# KiCad board bgpogo.kicad_pcb
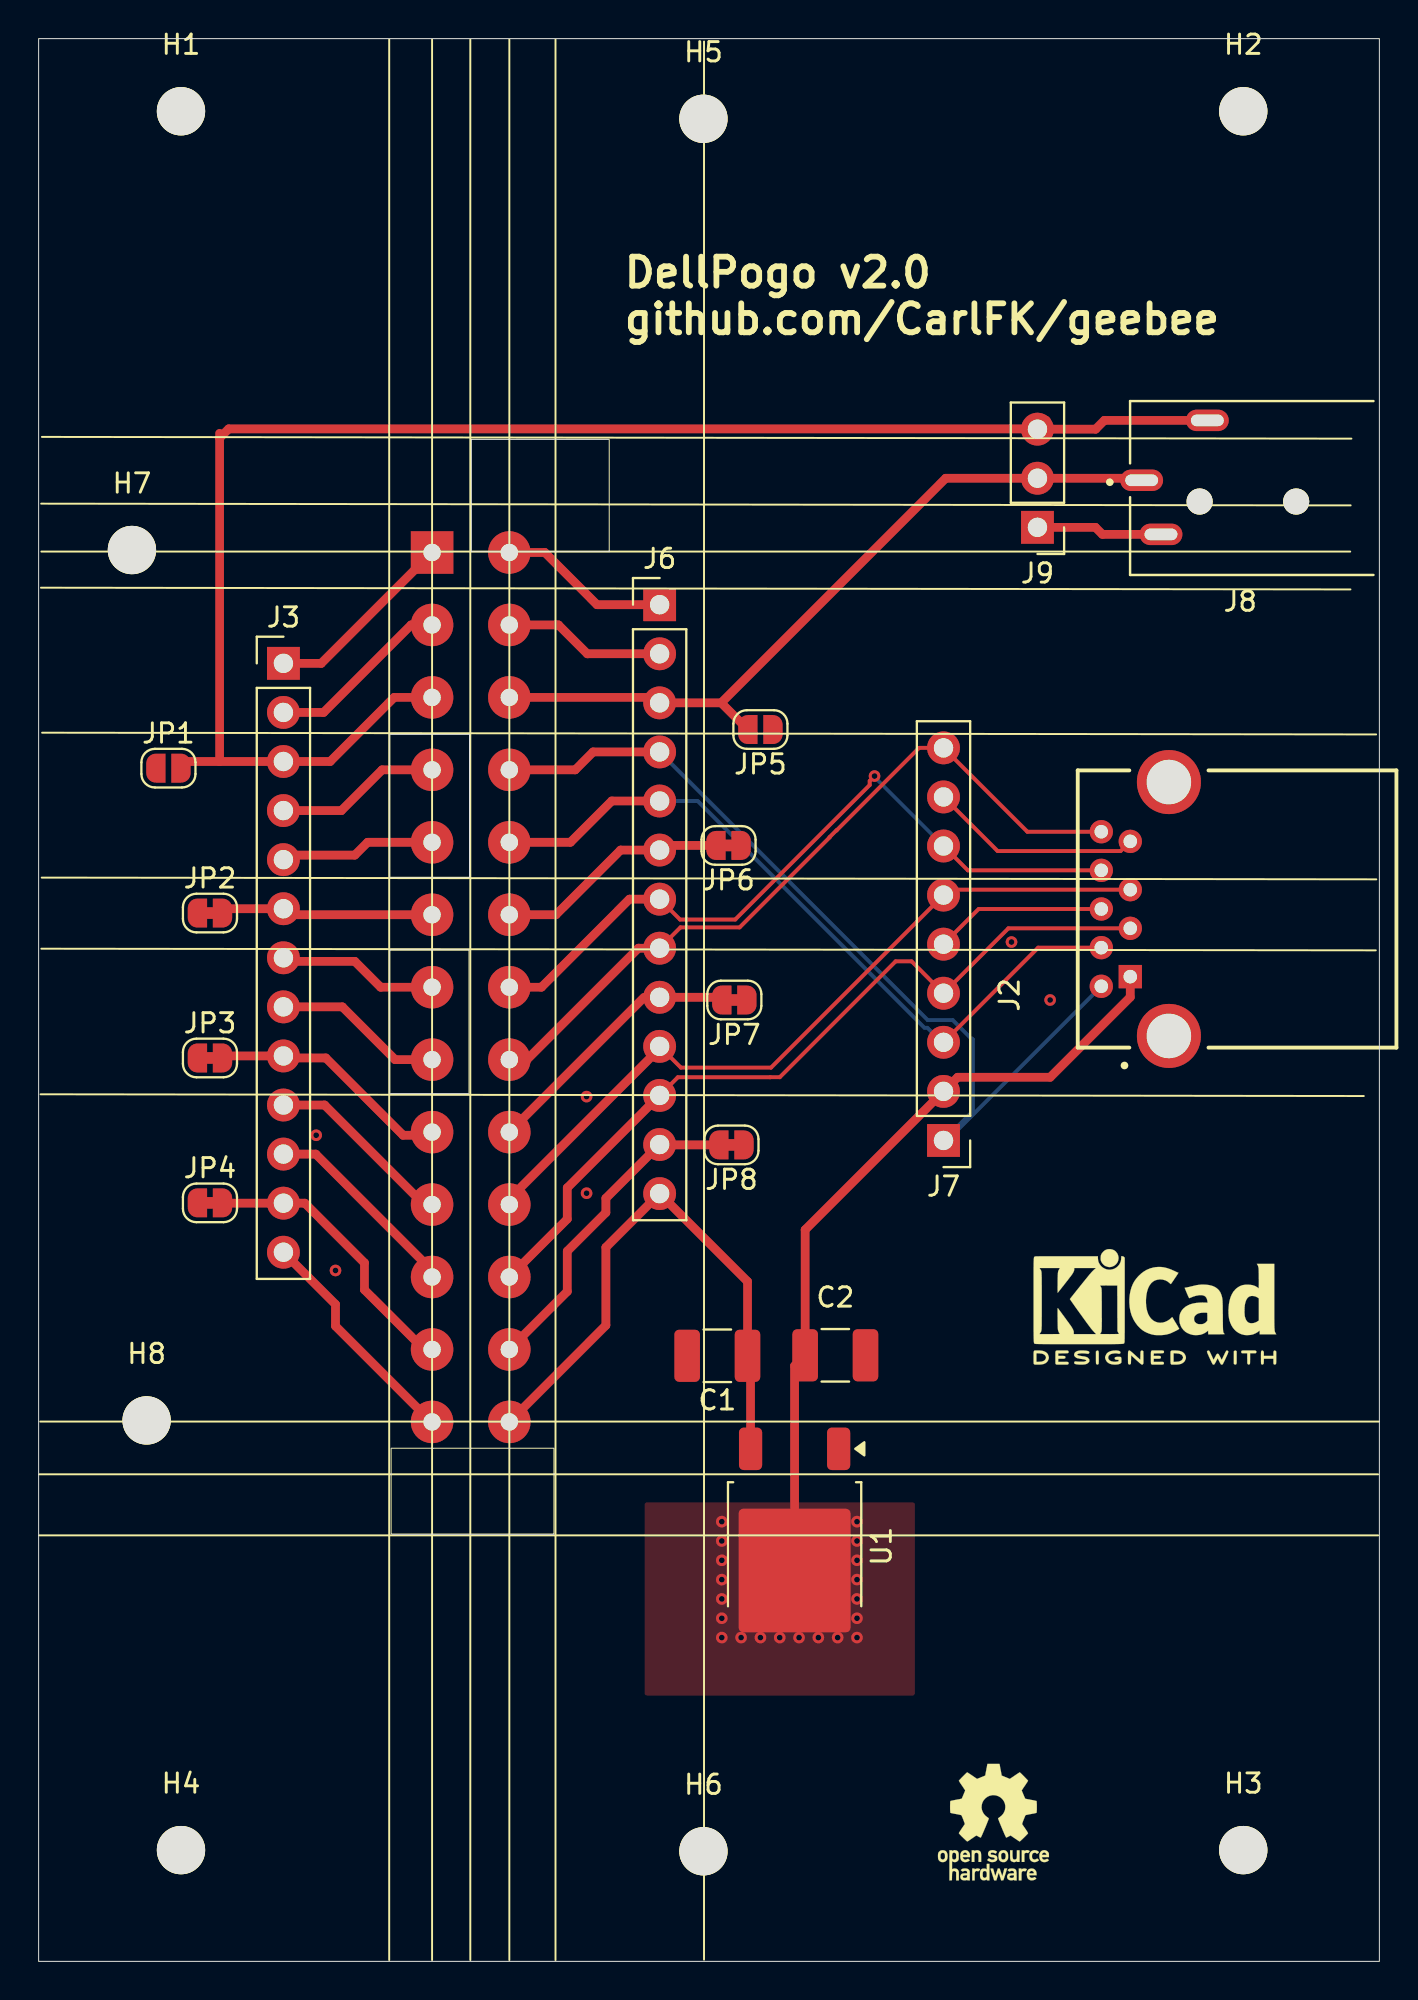
[diagram p0: board, top side]
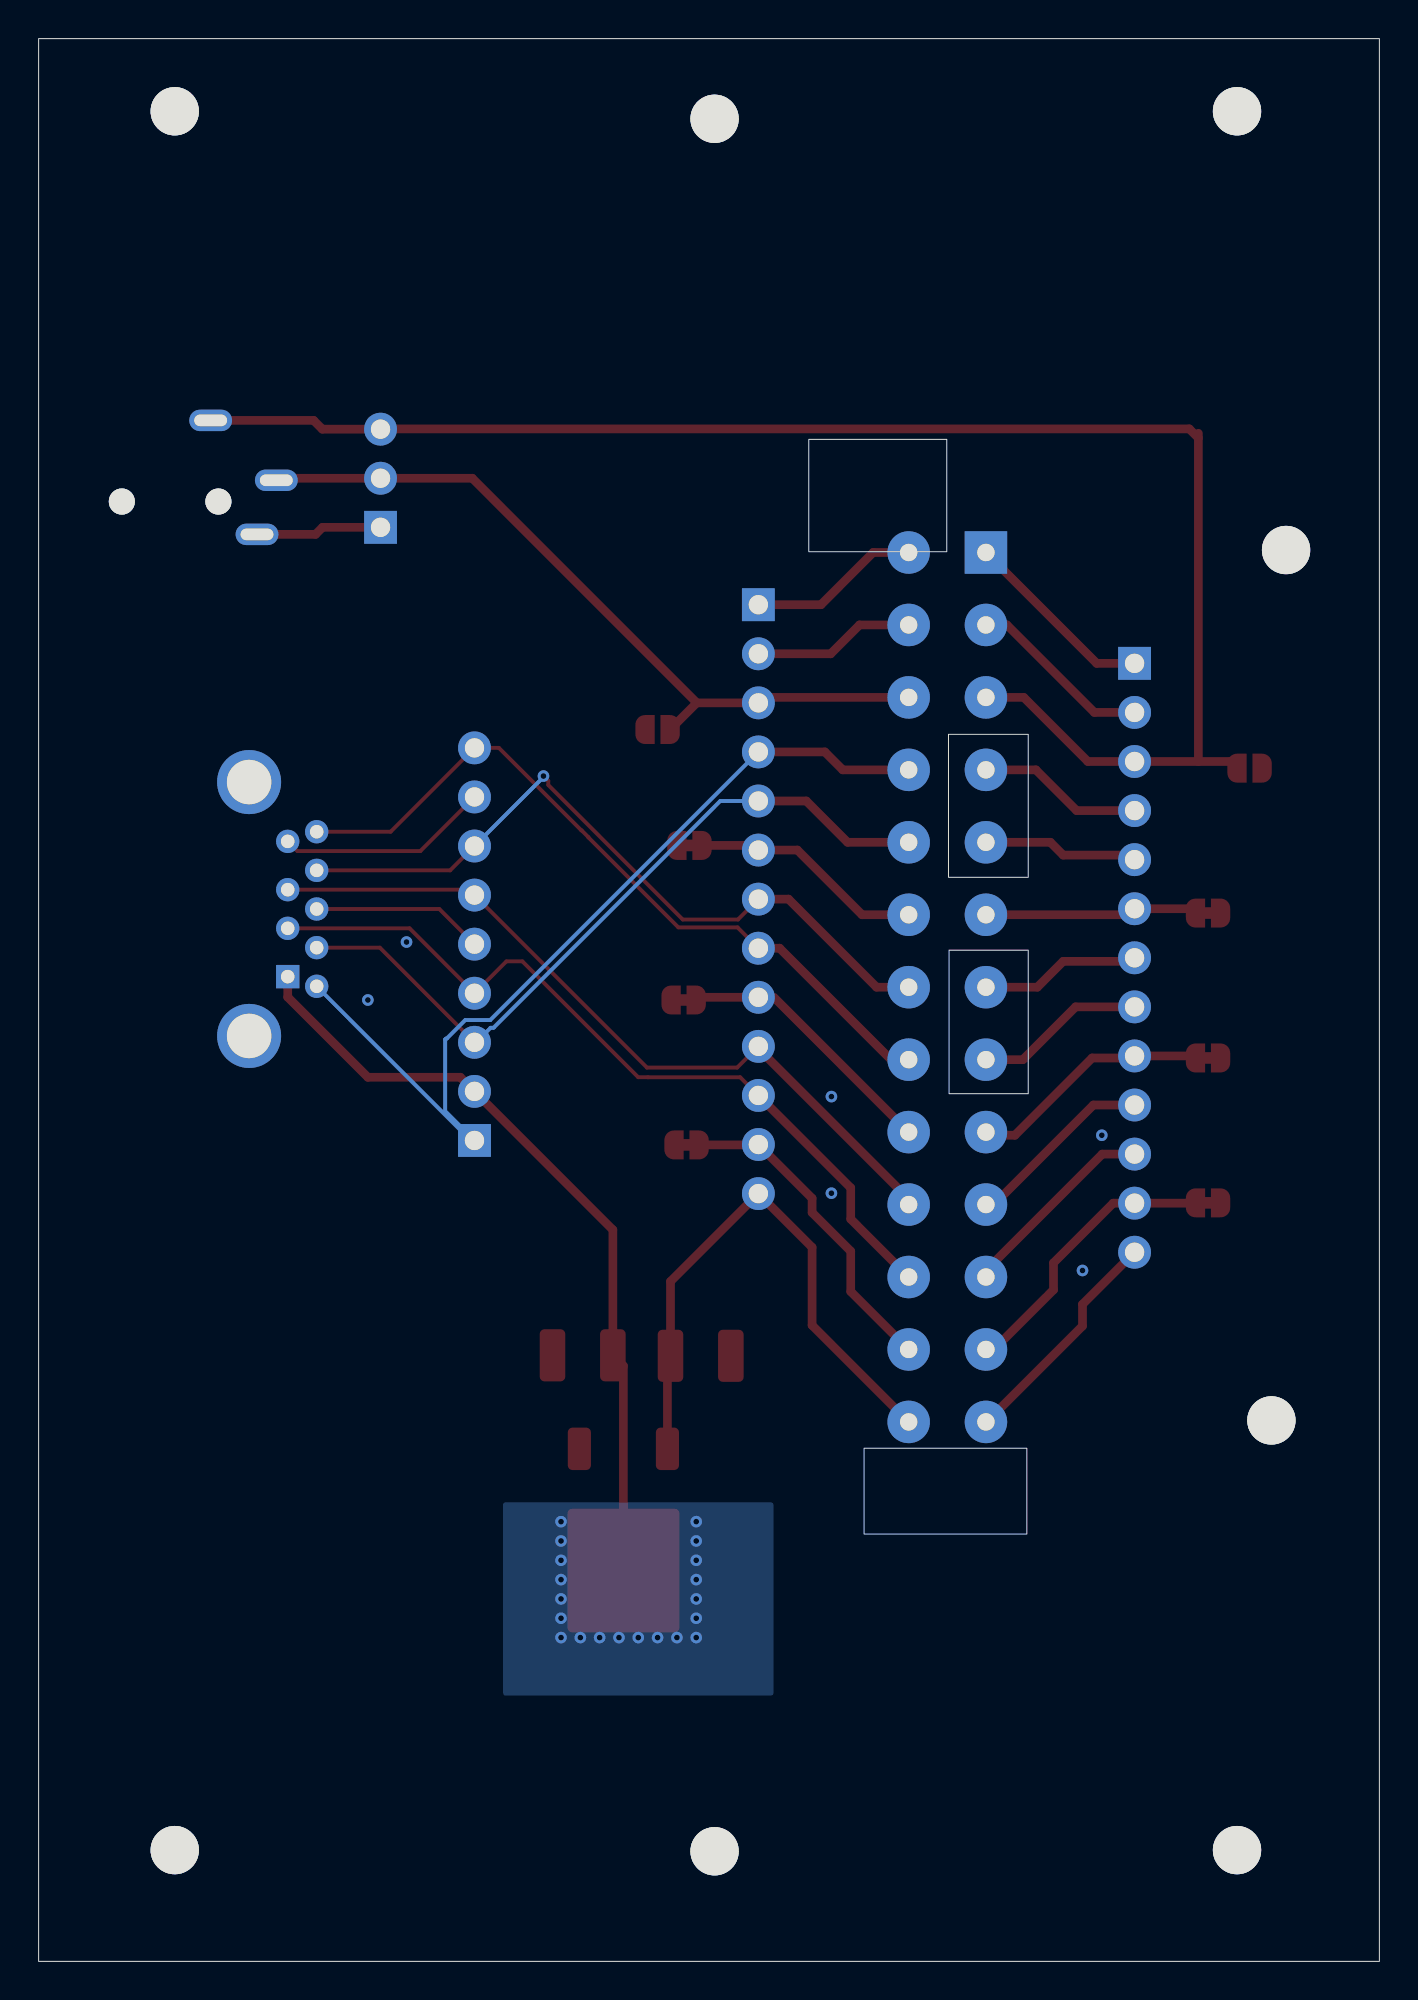
[diagram p1: board, bottom side, seen from below]

Outline 69.42 x 99.52 mm; copper layers: Top, Bottom. Coordinates in mm from the lower left corner of the outline.
Outline path: rectangle 0,99.52 69.42,0 ; rectangle 18.18,63.51 22.31,56.11 ; rectangle 18.18,52.34 22.28,44.91 ; rectangle 18.25,26.56 26.68,22.12 ; rectangle 22.4,78.78 29.54,72.96

## Placement (name value [footprint] x y rotation side)
C1  47u  [C_1210_3225Metric_Pad1.33x2.70mm_HandSolder]  35.14 31.34 180 top
C2  47u  [C_1210_3225Metric_Pad1.33x2.70mm_HandSolder]  41.25 31.37 0 top
H1  MountingHole  [MountingHole_2.5mm]  7.37 95.76 0 top
H2  MountingHole  [MountingHole_2.5mm]  62.37 95.76 0 top
H3  MountingHole  [MountingHole_2.5mm]  62.37 5.76 0 top
H4  MountingHole  [MountingHole_2.5mm]  7.37 5.76 0 top
H5  MountingHole  [MountingHole_2.5mm]  34.42 95.37 0 top
H6  MountingHole  [MountingHole_2.5mm]  34.42 5.7 0 top
H7  MountingHole  [MountingHole_2.5mm]  4.83 73.05 0 top
H8  MountingHole  [MountingHole_2.5mm]  5.59 28 0 top
J1  Conn_02x13_Odd_Even  [dell 72xx pogo]  20.37 50.42 0 top
J2  USB1135-15-9-L-B_REVA1  [GCT_USB1135-15-9-L-B_REVA1]  58.52 54.47 90 top
J3  Conn_01x13  [PinHeader_1x13_P2.54mm_Vertical]  12.67 67.18 0 top
J6  Conn_01x13  [PinHeader_1x13_P2.54mm_Vertical]  32.15 70.22 0 top
J7  Conn_01x09  [PinHeader_1x09_P2.54mm_Vertical]  46.85 42.49 180 top
J8  PJ-104H  [SAMESKY_PJ-104H]  65.11 75.56 90 top
J9  Conn_01x03  [PinHeader_1x03_P2.54mm_Vertical]  51.72 74.22 180 top
JP1  SolderJumper_2_Bridged  [SolderJumper-2_P1.3mm_Open_RoundedPad1.0x1.5mm]  6.72 61.76 0 top
JP2  SolderJumper_2_Bridged  [SolderJumper-2_P1.3mm_Bridged_RoundedPad1.0x1.5mm]  8.87 54.26 0 top
JP3  SolderJumper_2_Bridged  [SolderJumper-2_P1.3mm_Bridged_RoundedPad1.0x1.5mm]  8.87 46.76 0 top
JP4  SolderJumper_2_Bridged  [SolderJumper-2_P1.3mm_Bridged_RoundedPad1.0x1.5mm]  8.87 39.26 0 top
JP5  SolderJumper_2_Bridged  [SolderJumper-2_P1.3mm_Open_RoundedPad1.0x1.5mm]  37.37 63.76 180 top
JP6  SolderJumper_2_Bridged  [SolderJumper-2_P1.3mm_Bridged_RoundedPad1.0x1.5mm]  35.72 57.76 180 top
JP7  SolderJumper_2_Bridged  [SolderJumper-2_P1.3mm_Bridged_RoundedPad1.0x1.5mm]  36.02 49.76 180 top
JP8  SolderJumper_2_Bridged  [SolderJumper-2_P1.3mm_Bridged_RoundedPad1.0x1.5mm]  35.87 42.26 180 top
REF**  -  [KiCad-Logo2_5mm_SilkScreen]  57.79 33.89 0 top
REF**#2  -  [OSHW-Logo_5.7x6mm_SilkScreen]  49.43 7.21 0 top
U1  AZ1117-5.0  [TO-252-2]  39.14 21.49 270 top

## Library data of the parts
C1 C2 = -: Description: Unpolarized capacitor; ki_fp_filters: C_*
H1-H8 = -: Description: Mounting Hole without connection; ki_fp_filters: MountingHole*
J1 = -: Description: Generic connector, double row, 02x13, odd/even pin numbering scheme (row 1 odd numbers, row 2 even numbers), script generated (kicad-library-utils/schlib/autogen/connector/); ki_fp_filters: Connector*:*_2x??_*
J2 = -: PARTREV: A1; MANUFACTURER: GCT; MAXIMUM_PACKAGE_HEIGHT: 7.2 mm; STANDARD: Manufacturer Recommendations
J3 J6 = -: Description: Generic connector, single row, 01x13, script generated (kicad-library-utils/schlib/autogen/connector/); ki_fp_filters: Connector*:*_1x??_*
J7 = -: Description: Generic connector, single row, 01x09, script generated (kicad-library-utils/schlib/autogen/connector/); ki_fp_filters: Connector*:*_1x??_*
J8 = -: PARTREV: 1.0; STANDARD: Manufacturer Recommendations; MAXIMUM_PACKAGE_HEIGHT: 7.8mm; MANUFACTURER: Same Sky
J9 = -: Description: Generic connector, single row, 01x03, script generated (kicad-library-utils/schlib/autogen/connector/); ki_fp_filters: Connector*:*_1x??_*
JP1-JP8 = -: Description: Solder Jumper, 2-pole, closed/bridged; ki_fp_filters: SolderJumper*Bridged*
U1 = -: Datasheet: https://www.diodes.com/assets/Datasheets/AZ1117.pdf; Description: 1A 20V Fixed LDO Linear Regulator, 5.0V, SOT-89/SOT-223/TO-220/TO-252/TO-263; ki_fp_filters: SOT?223* SOT?89* TO?220* TO?252* TO?263*

## Footprints (pads in the part's own frame, mm; a bottom-side part is the same pattern mirrored in y, then rotated)
C_1210_3225Metric_Pad1.33x2.70mm_HandSolder
  rrect 1.325x2.7 smd: 1(-1.562,0) 2(1.562,0)
dell 72xx pogo
  rect 2.2x2.2 hole 0.9: 1(0,22.5)
  round 2.2 hole 0.9: 2(4,22.5) 3(0,18.75) 4(4,18.75) 5(0,15) 6(4,15) 7(0,11.25) 8(4,11.25) 9(0,7.5) 10(4,7.5) 11(0,3.75) 12(4,3.75) 13(0,0) 14(4,0) 15(0,-3.75) 16(4,-3.75) 17(0,-7.5) 18(4,-7.5) 19(0,-11.25) 20(4,-11.25) 21(0,-15) 22(4,-15) 23(0,-18.75) 24(4,-18.75) 25(0,-22.5) 26(4,-22.5)
GCT_USB1135-15-9-L-B_REVA1
  rect 1.208x1.208 hole 0.7: 1(-3.5,2)
  round 1.208 hole 0.7: 2(-1,2) 3(1,2) 4(3.5,2) 5(4,3.5) 6(2,3.5) 7(0,3.5) 8(-2,3.5) 9(-4,3.5)
  round 3.316 hole 2.3: S1(-6.57,0) S2(6.57,0)
MountingHole_2.5mm
  round 2.5 hole 2.5 unplated: (0,0)
PinHeader_1x03_P2.54mm_Vertical
  rect 1.7x1.7 hole 1: 1(0,0)
  round 1.7 hole 1: 2(0,-2.54) 3(0,-5.08)
PinHeader_1x09_P2.54mm_Vertical
  rect 1.7x1.7 hole 1: 1(0,0)
  round 1.7 hole 1: 2(0,-2.54) 3(0,-5.08) 4(0,-7.62) 5(0,-10.16) 6(0,-12.7) 7(0,-15.24) 8(0,-17.78) 9(0,-20.32)
PinHeader_1x13_P2.54mm_Vertical
  rect 1.7x1.7 hole 1: 1(0,0)
  round 1.7 hole 1: 2(0,-2.54) 3(0,-5.08) 4(0,-7.62) 5(0,-10.16) 6(0,-12.7) 7(0,-15.24) 8(0,-17.78) 9(0,-20.32) 10(0,-22.86) 11(0,-25.4) 12(0,-27.94) 13(0,-30.48)
SAMESKY_PJ-104H
  round 1.35 hole 1.35 unplated: (0,5) (0,0)
  oval 1.108x2.216 hole 0.6x1.7: 1(1.1,8) 2(4.2,4.6) 3(-1.7,7)
SolderJumper-2_P1.3mm_Bridged_RoundedPad1.0x1.5mm
  custom 1x1.5 smd: 1(-0.65,0) 2(0.65,0)
SolderJumper-2_P1.3mm_Open_RoundedPad1.0x1.5mm
  custom 1x1.5 smd: 1(-0.65,0) 2(0.65,0)
TO-252-2
  rrect 3.05x2.75 smd: (-0.415,1.525) (-0.415,-1.525) (2.935,1.525) (2.935,-1.525)
  rrect 2.2x1.2 smd: 1(-5.04,2.28) 3(-5.04,-2.28)
  rrect 6.4x5.8 smd: 2(1.26,0)

## Nets
+5V: C2.1 J2.1 J7.2 U1.2
+8V: C1.1 U1.3
GND: C1.2 C2.2 J2.4 J2.7 J2.S1 J2.S2 J7.5 J7.8 JP1.1 JP2.1 JP3.1 JP4.1 JP5.1 JP6.1 JP7.1 JP8.1 U1.1
/53: J1.20 J2.3 J6.10 J7.6
/54: J1.22 J2.2 J6.11 J7.4
/55: J1.8 J2.9 J6.4 J7.1
/56: J1.10 J2.8 J6.5 J7.3
/58: J1.14 J2.6 J6.7 J7.7
/59: J1.16 J2.5 J6.8 J7.9
/p1: J1.1 J3.1
/p2: J1.2 J6.1
/p3: J1.3 J3.2
/p4: J1.4 J6.2
/p5: J1.5 J3.3 J8.2 J9.3 JP1.2
/p6: J1.6 J6.3 J8.1 J9.2 JP5.2
/p7: J1.7 J3.4
/p9: J1.9 J3.5
/p11: J1.11 J3.6 JP2.2
/p12: J1.12 J6.6 JP6.2
/p13: J1.13 J3.7
/p15: J1.15 J3.8
/p17: J1.17 J3.9 JP3.2
/p18: J1.18 J6.9 JP7.2
/p19: J1.19 J3.10
/p21: J1.21 J3.11
/p23: J1.23 J3.12 JP4.2
/p24: J1.24 J6.12 JP8.2
/p25: J1.25 J3.13
/p26: J1.26 J6.13
/pj3: J8.3 J9.1

## Via types
v1: diameter 0.6, hole 0.3, Top to Bottom, 27 vias

## Routing (per net, layer and track width the routed paths; a pad name or vN(x,y) marks a point on that pad's centre or on a via; arc(x,y) is an arc through that point)
+5V: length 40.7
  Top w0.45: U1.2 39.14,30.82 C2.1 39.69,37.86 J7.2 47.58,45.76 52.37,45.76 56.52,49.91 J2.1
  vias: v1(35.37,22.76) v1(35.37,21.76) v1(35.37,20.76) v1(35.37,19.76) v1(35.37,18.76) v1(35.37,17.76) v1(35.37,16.76) v1(36.37,16.76) v1(37.37,16.76) v1(38.37,16.76) v1(39.37,16.76) v1(40.37,16.76) v1(41.37,16.76) v1(42.37,22.76) v1(42.37,21.76) v1(42.37,20.76) v1(42.37,19.76) v1(42.37,18.76) v1(42.37,17.76) v1(42.37,16.76)
+8V: length 15.2
  Top w0.45: U1.3 36.86,30.93 36.7,31.09 C1.1 36.7,35.19 32.15,39.74
GND: length 20
  Top w0.2: J7.8 49.65,57.47 56.02,57.47 J2.4 ; J2.7 48.67,54.47 J7.5
  vias: v1(14.37,42.76) v1(15.37,35.76) v1(28.37,44.76) v1(28.37,39.76) v1(50.37,52.76) v1(52.37,49.76)
/53: length 40
  Top w0.2: J6.10 33.25,46.26 37.92,46.26 J7.6 47.13,55.47 J2.3
  Top w0.45: J1.20 24.37,39.46 32.15,47.25 J6.10
/54: length 41.9
  Top w0.2: J6.11 33.09,45.76 37.87,45.76 ; J2.2 50.21,53.47 J7.4 46.85,50.11 45.2,51.76 44.37,51.76 38.38,45.76 37.87,45.76
  Top w0.45: J1.22 27.37,38.42 27.37,40.04 J6.11
/55: length 47.9
  Top w0.2: 47.04,42.49 J7.1
  Top w0.45: J1.8 27.78,61.67 28.71,62.6 J6.4
  Bottom w0.2: J2.9 47.04,42.49 ; J6.4 46.03,48.72 47.33,48.72 48.29,47.76 48.33,47.76 48.37,47.72 48.37,44.01 J7.1
/56: length 38.7
  Top w0.2: J7.3 51.75,52.47 J2.8
  Top w0.45: J1.10 27.53,57.92 29.67,60.06 J6.5
  Bottom w0.2: J7.3 46.77,47.57 46.02,48.32 45.87,48.32 34.13,60.06 J6.5
/58: length 38.2
  Top w0.2: v1(43.28,61.35) 43.03,61.1 43.03,60.89 36.07,53.92 33.21,53.92 J6.7 ; J7.7 48.11,56.47 J2.6
  Top w0.45: J1.14 26.03,50.42 30.59,54.98 J6.7
  Bottom w0.2: J7.7 43.28,61.3 v1(43.28,61.35)
/59: length 39.1
  Top w0.2: J2.5 51.19,58.47 J7.9 45.59,62.81 41.32,58.54 41.31,58.54 40.95,58.19 40.95,58.17 36.3,53.52 33.23,53.52 J6.8
  Top w0.45: J1.16 25.28,46.67 31.05,52.44 J6.8
/p1: length 10.1
  Top w0.45: J3.1 14.63,67.18 J1.1
/p2: length 8.9
  Top w0.45: J6.1 28.91,70.22 26.21,72.92 J1.2
/p3: length 9.6
  Top w0.45: J1.3 19.28,69.17 14.76,64.64 J3.2
/p4: length 8.4
  Top w0.45: J1.4 26.91,69.17 28.41,67.68 J6.2
/p5: length 84.3
  Top w0.45: J9.3 51.7,79.32 9.84,79.32 9.37,78.85 ; J9.3 51.06,79.3 ; J9.3 54.73,79.3 55.18,79.76 J8.2 ; J9.3 52.17,79.76 ; JP1.2 7.72,62.1 9.37,62.1 ; 9.37,62.1 J3.3 15.09,62.1 18.41,65.42 J1.5 ; 9.37,62.1 9.37,79.09
/p6: length 39.7
  Top w0.2: 35.25,65.14 35.34,65.14 ; 31.87,65.42 J6.3
  Top w0.45: J6.3 35.25,65.14 ; JP5.2 35.34,65.14 46.97,76.76 J9.2 56.14,76.76 56.24,76.66 J8.1 ; J1.6 31.87,65.42
/p7: length 8.6
  Top w0.45: J1.7 17.78,61.67 15.68,59.56 J3.4
/p9: length 8.1
  Top w0.45: J1.9 17.03,57.92 16.37,57.26 12.91,57.26 J3.5
/p11: length 11.2
  Top w0.2: 12.99,54.17 J3.6 12.6,54.48 ; 9.75,54.48 JP2.2
  Top w0.45: J1.11 12.99,54.17 ; J3.6 9.75,54.48
/p12: length 12.2
  Top w0.45: JP6.2 32.39,57.76 J6.6 30.13,57.52 26.78,54.17 J1.12
/p13: length 8.3
  Top w0.45: J3.7 12.86,51.76 16.37,51.76 17.71,50.42 J1.13
/p15: length 8.8
  Top w0.45: J1.15 18.46,46.67 15.73,49.4 J3.8
/p17: length 12.7
  Top w0.2: J1.17 20.21,42.76 ; 12.78,46.76 J3.9 ; 9.63,46.86 JP3.2
  Top w0.45: J3.9 9.63,46.86 ; 12.78,46.76 14.87,46.76 18.87,42.76 20.21,42.76
/p18: length 14.1
  Top w0.2: 31.35,49.9 J6.9
  Top w0.45: J6.9 35.58,49.9 ; J1.18 31.35,49.9
/p19: length 9.8
  Top w0.45: J3.10 14.81,44.32 19.96,39.17 J1.19
/p21: length 10.5
  Top w0.45: J1.21 20.37,35.76 14.35,41.78 J3.11
/p23: length 14.8
  Top w0.45: J1.23 19.96,31.67 16.87,34.76 16.87,36.15 13.78,39.24 J3.12 9.54,39.24 JP4.2
/p24: length 16.9
  Top w0.2: 32.87,42.26 32.85,42.28 J6.12
  Top w0.45: 32.87,42.26 JP8.2 ; J6.12 29.37,39.5 29.37,38.76 27.37,36.76 27.37,34.67 J1.24
/p25: length 12
  Top w0.45: J3.13 15.37,34.01 15.37,32.88 20.33,27.92 J1.25
/p26: length 14.5
  Top w0.45: J1.26 29.37,32.92 29.37,36.96 31.78,39.37
/pj3: length 6.5
  Top w0.45: J9.1 54.72,74.22 55.08,73.86 J8.3

## Copper pours and planes (outline as drawn; the poured copper is in the pictures)
+5V on Top, Bottom: 31.37,23.76 45.37,23.76 45.37,13.76 31.37,13.76

## Text on the board
F.Silkscreen: DellPogo v2.0 / github.com/CarlFK/geebee
